# KiCad board sswkbd_left.kicad_pcb (continued)
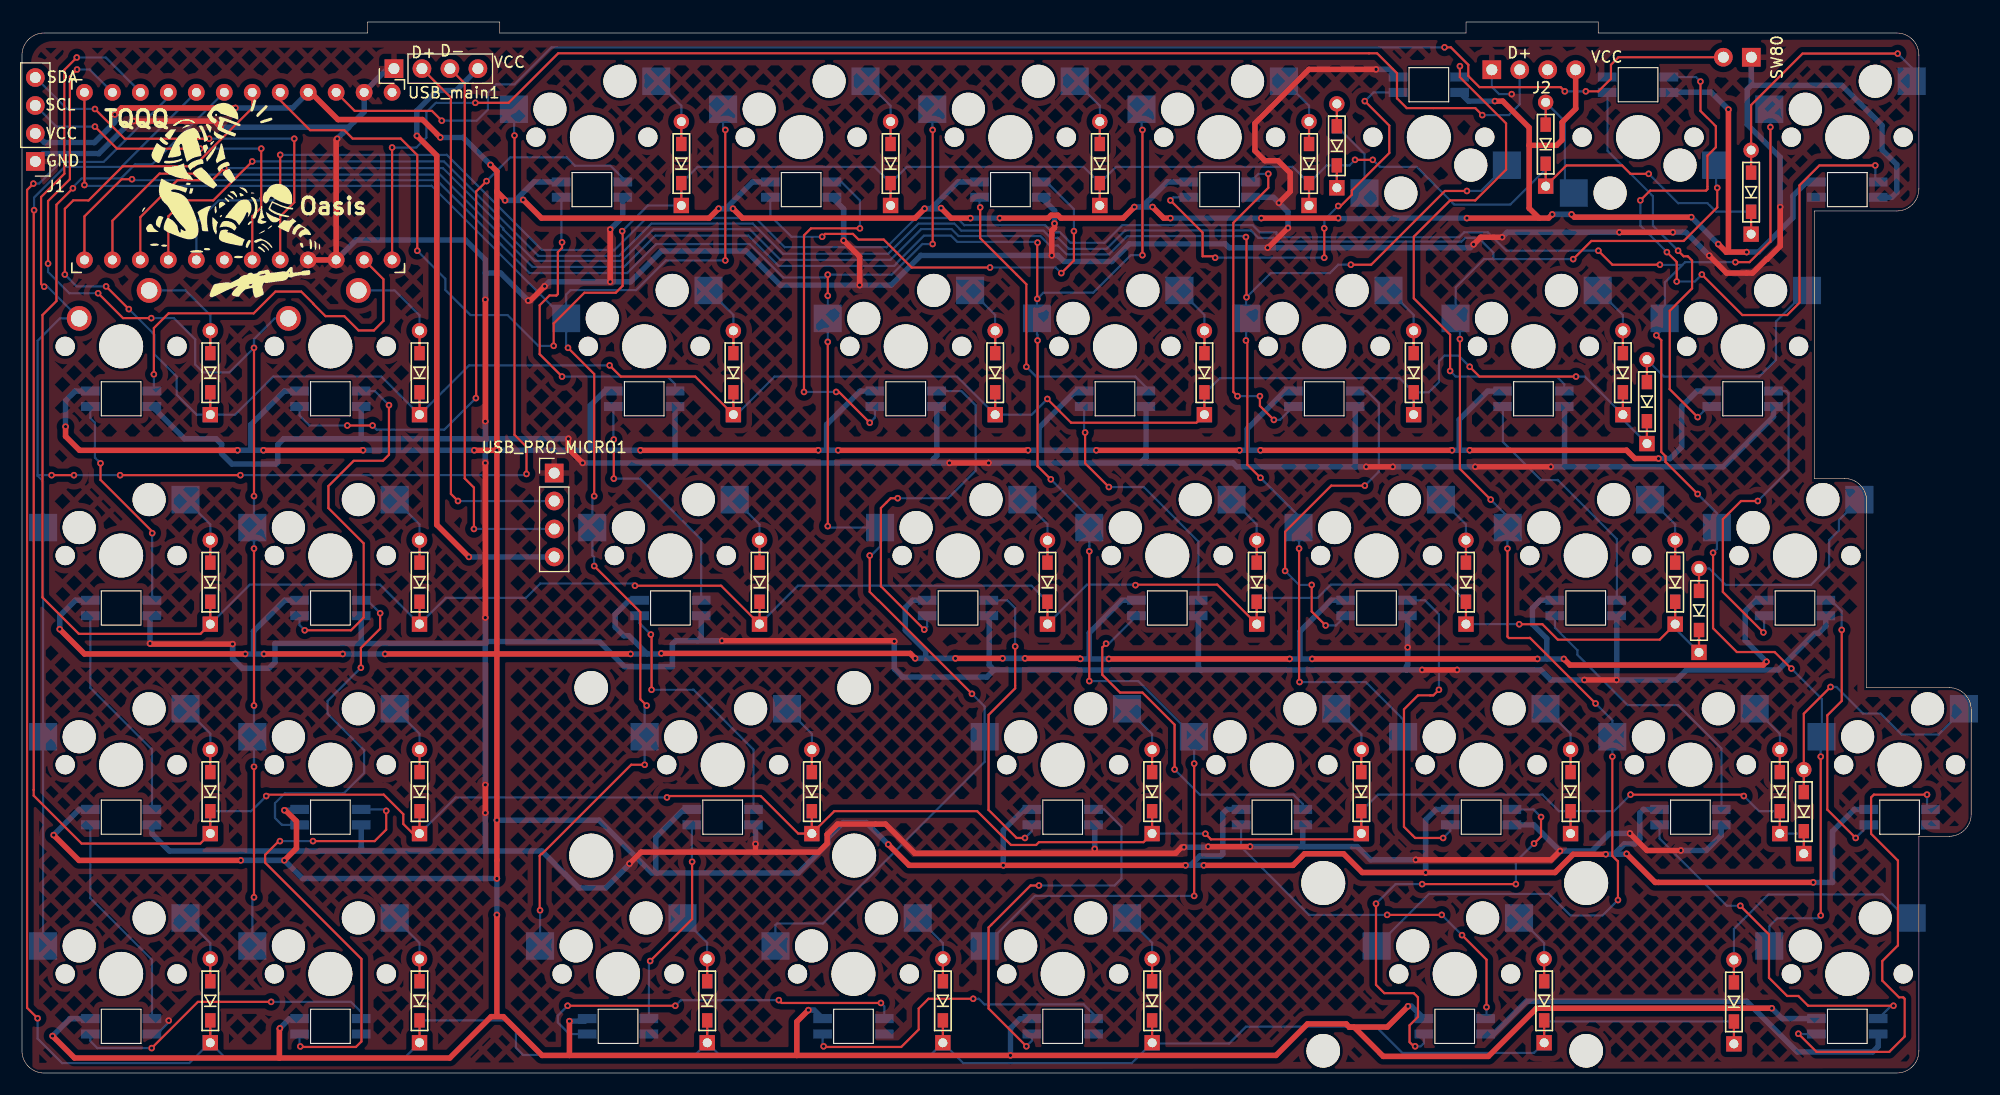
[diagram p0: board, top side]
## Routing (per net, layer and track width the routed paths; a pad name or vN(x,y) marks a point on that pad's centre or on a via; arc(x,y) is an arc through that point) (continued)
  Bottom w0.5: 82.56,78.51 84.99,80.94 LED20.1 ; 82.56,78.51 83.41,78.51 v1(83.46,78.56) ; 82.56,78.51 v1(81.96,78.51) ; LED7.1 23.85,42.94 21.02,40.11 21.02,38.06 ; v1(23.82,23.86) 25.15,23.86 25.2,23.91 ; v1(71.41,5.71) 71.93,5.71 LED14.1 ; 130.51,56.56 v1(131.46,56.56) ; 130.51,56.56 v1(129.86,56.56) ; 130.51,56.56 130.51,59.35 133.1,61.94 LED30.1 ; v1(3.42,40.31) 3.42,41.51 4.85,42.94 LED2.1 ; v1(89.11,18.86) 89.11,22.06 90.99,23.94 LED16.1 ; LED9.1 46.49,80.94 44.81,79.26 ; v1(148.61,55.81) 149.66,55.81 150.71,56.86 150.71,60.55 152.1,61.94 LED35.1 ; 96.91,37.61 96.91,39.97 99.88,42.94 LED22.1 ; 96.91,37.61 v1(98.7,37.61) ; 96.91,37.61 v1(96.11,37.61) ; v1(140.71,77.99) v1(138.96,77.99) ; 21.02,38.06 v1(21.97,38.06) ; 21.02,38.06 v1(20.27,38.06) ; 144.81,19.87 144.81,20.11 145.51,20.81 146.46,20.81 146.91,21.26 146.91,23.61 147.24,23.94 LED32.1 ; 144.81,19.87 v1(143.82,19.87) ; 144.81,19.87 145.67,19.87 v1(145.71,19.91) ; LED10.1 52.91,61.94 51.61,60.63 51.61,56.56 ; 111.26,56.56 v1(112.46,56.56) ; 111.26,56.56 v1(110.56,56.56) ; 111.26,56.56 111.26,58.51 114.69,61.94 LED26.1 ; 51.61,56.56 v1(56.15,56.56) ; 51.61,56.56 43.06,56.56 ; v1(72.31,56.56) 73.06,56.56 ; 73.06,56.56 73.06,58.9 76.1,61.94 LED18.1 ; 73.06,56.56 v1(74.11,56.56) ; 138.46,37.61 138.46,39.46 137.16,40.76 137.16,42.22 137.88,42.94 LED31.1 ; 138.46,37.61 v1(137.61,37.61) ; 138.46,37.61 v1(140.01,37.61) ; v1(91.08,37.66) v1(89.04,37.66) ; 20.77,56.56 20.77,58.88 23.83,61.94 LED8.1 ; 20.77,56.56 v1(19.57,56.56) ; 20.77,56.56 v1(21.92,56.56) ; LED4.1 4.35,4.94 v1(2.77,3.36) ; v1(43.12,14.36) v1(43.12,17.66) 25.47,17.66 v1(23.82,19.31) v1(19.87,19.31) ; v1(119.52,77.65) 119.56,77.61 124.56,77.61 124.6,77.65 v1(131.21,77.65) ; 44.81,79.26 45.46,79.26 v1(45.51,79.31) ; 44.81,79.26 v1(43.86,79.26) ; v1(63.26,78.51) 63.91,78.51 ; 63.91,78.51 66.34,80.94 LED19.1 ; 63.91,78.51 v1(64.56,78.51) ; LED27.1 118.88,42.94 116.06,40.12 116.06,37.61 ; v1(49.71,4.71) 51.1,4.71 LED13.1 ; v1(8.42,87.06) 8.42,86.36 6.57,84.51 2.04,84.51 J1.2 ; v1(156.61,74.56) 157.68,74.56 160.81,77.69 160.81,79.66 162.09,80.94 LED38.1 ; v1(41.06,56.56) v1(30.97,56.56) ; v1(125.86,6.06) 126.18,6.06 LED24.1 ; LED25.1 128.4,23.94 127.46,23 v1(127.46,18.21) ; v1(101.01,78.66) 101.71,78.66 ; 101.71,78.66 v1(102.66,78.66) ; 101.71,78.66 103.99,80.94 LED28.1 ; 158.23,42.94 157.46,42.94 156.48,41.95 156.48,39.29 v1(158.41,37.36) ; v1(2.87,21.61) 5.2,23.94 LED3.1 ; v1(88.79,77.65) v1(86.12,77.65) ; 106.11,18.86 v1(107.31,18.86) ; 106.11,18.86 106.96,19.71 108.86,19.71 109.04,19.89 109.04,23.58 109.4,23.94 LED23.1 ; 106.11,18.86 v1(105.66,18.86) ; LED17.1 80.88,42.94 80.21,42.27 80.21,40.21 82.06,38.36 82.06,37.66 ; LED29.1 131.34,88.27 v1(133.75,88.27) ; 91.72,4.94 91.7,4.91 90.61,4.91 89.76,4.06 v1(89.76,1.6) ; 57.67,18.17 57.2,18.17 52.41,22.96 43.06,22.96 ; 57.67,18.17 70.49,18.17 73.17,20.85 73.17,21.35 74.57,22.74 76.68,22.74 v1(78.66,20.76) ; 57.67,18.17 57.55,18.3 57.55,21.4 60.09,23.94 LED12.1 ; LED33.1 159.84,4.94 v1(158.89,5.88) ; v1(23.42,4.06) 24.3,4.94 LED5.1 ; LED1.1 4.83,61.94 3.95,61.07 v1(3.95,58.71) ; 82.06,37.66 v1(84.76,37.66) ; 82.06,37.66 v1(81.11,37.66) ; v1(115.11,37.61) 116.06,37.61 ; 116.06,37.61 v1(117.16,37.61) ; v1(55.26,38.06) 56.76,38.06 ; 56.76,38.06 58.01,38.06 v1(58.06,38.11) ; 56.76,38.06 55.11,39.71 54.66,39.71 53.86,40.51 53.86,41.66 55.14,42.94 LED11.1 ; v1(154.96,87.51) 153.38,89.09 149.6,89.09 149.58,89.06 ; v1(162.66,17.31) 164.41,17.31 164.41,21.95 166.4,23.94 LED34.1 ; v1(154.03,75.29) v1(151.59,77.73) ; v1(112.54,77.65) v1(104.28,77.65) ; 92.36,56.56 v1(97.55,56.56) ; 92.36,56.56 92.36,58.61 95.69,61.94 LED21.1 ; 92.36,56.56 v1(91.36,56.56) ; v1(42.54,82.49) 40.05,84.97 v1(37.99,84.97) ; v1(19.38,87.66) 24.57,87.66 U1.21 ; v1(29.12,38.06) v1(32.97,38.06)
  vias: v1(43.12,22.96)
col0: length 171.7
  Top w0.2: 2.02,71.37 1.73,71.66 1.73,79.57 3.84,81.68 3.84,91.11 v1(4.97,92.24) ; v1(19.83,54.3) v1(8.91,54.3) ; v1(2.68,54.3) v1(4.72,54.3) ; v1(45.81,54.41) 45.81,56.87 44.72,57.96 v1(44.72,85.15)
  Bottom w0.2: v1(4.72,54.3) v1(8.91,54.3) ; 1.41,54.36 1.47,54.3 v1(2.68,54.3) ; 1.41,54.36 1.41,54.24 1.92,53.74 SW65.1 ; 1.41,54.36 1.41,66.51 3.44,68.54 SW16.1 2.31,71.42 v1(2.02,71.42) ; 44.69,87.54 44.69,85.18 v1(44.72,85.15) ; v1(4.97,92.24) 7.61,92.24 10.75,89.1 U1.15 ; v1(19.83,54.3) 45.7,54.3 v1(45.81,54.41)
col1: length 107.6
  Top w0.2: v1(11.74,68.56) 9.17,68.56 v1(6.91,70.83) ; 21.07,52.37 v1(21.07,65.87) ; 2.41,73.47 v1(2.36,73.52) 2.36,79.2 4.35,81.18 4.35,90.5 v1(4.99,91.15) ; v1(21.07,15.96) 21.07,27.87 ; v1(21.07,33.37) 21.07,47.66
  Bottom w0.2: 20.91,11.51 20.91,15.81 v1(21.07,15.96) ; v1(2.36,73.52) 2.36,72.76 4.29,70.83 v1(6.91,70.83) ; U1.14 6.13,91.15 v1(4.99,91.15) ; v1(11.74,68.56) 13.79,68.56 15.72,66.63 15.72,64.35 16.44,63.64 18.84,63.64 v1(21.07,65.87) 21.07,66.66 22.95,68.54 SW17.1 ; v1(21.07,47.63) v1(21.07,52.4) ; v1(21.07,27.82) v1(21.07,33.37)
col2: length 154.1
  Top w0.2: 63.87,73.75 v1(63.87,85.66) ; 47.2,19.88 55.32,28 v1(56.54,28) ; v1(49.58,65.87) 51.96,63.48 51.96,52.37 ; v1(51.96,46.05) 56.15,41.86 56.15,33.94 v1(56.72,33.37) ; 47.2,19.93 47.01,19.74 47.01,14.81 v1(47.04,14.78) ; v1(5.67,80.65) U1.13
  Bottom w0.2: v1(63.87,85.66) 63.66,85.86 SW2.1 ; SW18.1 49.29,68.54 49.26,68.56 ; SW18.1 49.41,66.03 v1(49.58,65.87) ; SW18.1 49.24,68.54 37.2,80.58 5.74,80.58 v1(5.67,80.65) ; SW18.1 49.41,70.71 49.82,71.11 55.76,71.11 58.45,73.8 v1(63.87,73.8) ; v1(47.04,14.78) SW67.1 ; v1(56.72,33.37) 56.54,33.19 v1(56.54,28) ; v1(51.96,52.4) 51.79,52.23 SW35.1 51.79,47.01 51.96,46.84 v1(51.96,46.05)
col3: length 182.6
  Top w0.2: v1(9.98,81.18) 9.04,81.18 5.67,77.81 U1.12 ; v1(76.98,47) 76.98,43.7 77.74,42.94 ; 73.17,49.64 v1(73.17,66.41) ; 82.69,75.25 v1(82.69,85.66) ; v1(86.26,34.44) 77.74,42.96 ; v1(73.17,70.6) v1(73.17,72.51)
  Bottom w0.2: v1(73.17,49.67) 73.3,49.54 SW36.1 77.91,47.81 77.11,47 v1(76.98,47) ; v1(86.26,34.44) 87.41,33.29 87.41,28.26 72.74,13.58 68.56,13.58 68.41,13.43 SW68.1 ; 10.08,81.09 37.67,81.09 43.51,75.25 ; 43.45,75.3 46.09,72.66 54.96,72.66 57.6,75.3 66.07,75.3 69.11,72.26 72.92,72.26 v1(73.17,72.51) 78.97,72.51 81.76,75.3 v1(82.69,75.3) ; v1(73.17,66.41) v1(73.17,70.6) ; v1(82.69,85.66) 82.66,85.69 SW3.1
col4: length 210
  Top w0.2: v1(92.22,66.53) 92.22,55.1 92.24,55.1 v1(93.42,53.92) ; v1(106.44,16.09) 106.44,28.15 ; v1(92.22,75.42) 92.19,75.39 v1(92.19,70.31) ; 101.74,74.23 v1(101.74,85.66) ; v1(15.83,81.69) 12.48,81.69 8.21,77.41 U1.11 ; v1(96.92,35.59) 96.92,47.41
  Bottom w0.2: v1(92.22,66.53) 92.22,67.04 92.16,67.09 92.16,70.29 v1(92.19,70.31) 92.75,70.87 97.27,70.87 100.68,74.28 v1(101.74,74.28) ; v1(106.44,28.1) 106.44,28.1 106.44,30.51 101.36,35.59 v1(96.92,35.59) ; v1(93.42,53.92) 96.91,50.43 96.91,47.89 96.92,47.89 v1(96.92,47.38) ; v1(15.83,81.69) 15.92,81.6 37.96,81.6 43.49,76.07 43.5,76.07 46.36,73.21 54.66,73.21 57.51,76.06 65.96,76.06 68.71,73.31 79.21,73.31 79.41,73.51 79.41,73.56 81.91,76.06 84.36,76.06 84.92,75.5 92.15,75.5 v1(92.22,75.42) ; 87.44,11.51 87.44,11.54 91.99,16.09 v1(106.44,16.09) ; v1(101.74,85.66) 101.66,85.74 SW4.1
col5: length 198.4
  Top w0.2: v1(116.01,35.51) 115.97,35.55 115.97,47.66 ; v1(111.14,75.93) 111.19,75.88 v1(111.19,70.46) ; v1(111.14,66.53) 111.27,66.41 111.27,55.23 111.29,55.23 v1(112.46,54.06) ; U1.10 10.75,77.73 14.1,81.09 17.26,81.09 v1(18.37,82.2) ; v1(131.21,80.11) 129.21,80.11 122.51,73.42 v1(120.67,73.42)
  Bottom w0.2: v1(120.67,73.42) 119.52,73.42 118.76,72.65 113.39,72.65 v1(111.19,70.46) 111.17,70.43 111.17,66.56 v1(111.14,66.53) ; v1(111.14,75.93) 111.06,76.01 100.36,76.01 98.71,74.36 94.86,74.36 94.06,75.16 93.33,75.16 92.47,76.02 85.05,76.02 84.43,76.64 81.64,76.64 78.86,73.86 68.86,73.86 66.08,76.64 57.36,76.64 54.48,73.76 46.56,73.76 43.7,76.61 43.7,76.7 38.21,82.2 v1(18.37,82.2) ; 134.86,82.46 SW5.1 132.49,80.11 v1(131.21,80.11) ; v1(116.01,35.51) 122.02,35.51 125.42,32.12 SW54.1 ; v1(115.97,47.63) 115.97,49.51 115.94,49.54 115.94,50.58 v1(112.46,54.06)
col6: length 255.7
  Top w0.2: 144.92,19.21 144.42,19.72 v1(144.42,28.74) ; v1(140.86,73.92) 142.51,75.57 150.89,75.57 153.94,78.62 v1(153.94,80.4) ; v1(134.89,47.63) 134.89,39.63 135.02,39.51 136.92,39.51 ; v1(133.37,52.08) 130.57,54.87 ; U1.9 13.29,77.81 14.74,79.26 17.37,79.26 v1(20.91,82.8) ; 130.57,54.85 v1(130.57,66.66) ; v1(144.92,15.71) 144.92,19.26 ; 136.92,39.53 v1(142.89,33.56)
  Bottom w0.2: v1(144.92,15.71) 143.53,14.31 140.61,14.31 138.65,16.27 127.77,16.27 123.04,11.54 123.04,11.51 ; v1(142.89,33.56) 144.42,32.04 v1(144.42,28.74) ; SW6.1 153.84,80.51 v1(153.94,80.4) ; 133.62,73.92 132.76,73.92 130.19,71.36 130.19,68.56 130.57,68.18 v1(130.57,66.66) ; 133.62,73.92 v1(140.86,73.92) ; 133.62,73.92 133.61,73.93 133.61,74.51 132.26,75.86 131.06,75.86 130.71,75.51 113.86,75.51 113.66,75.71 113.66,75.86 112.26,75.86 111.58,76.53 111.58,76.53 100.16,76.53 98.49,74.86 95.06,74.86 94.06,75.86 93.41,75.86 92.76,76.51 85.3,76.51 84.66,77.15 81.4,77.15 78.66,74.41 69.1,74.41 66.36,77.15 57.15,77.15 54.21,74.21 46.9,74.21 38.31,82.8 v1(20.91,82.8) ; v1(134.89,47.63) 134.89,50.56 v1(133.37,52.08)
col7: length 250.1
  Top w0.2: 160.67,36.71 159.15,38.24 155.72,38.24 153.56,40.4 v1(153.56,47.25) ; 158.77,75.55 156.86,73.64 v1(155.59,73.64) ; 149.24,55.48 149.24,56.03 148.86,56.41 148.86,66.56 v1(148.42,67) ; 158.77,75.5 v1(158.77,85.91) ; v1(23.45,83.4) v1(23.45,79.89) ; v1(148.73,73.42) 144.42,73.42 v1(143.15,74.69) ; v1(152.16,52.59) 149.24,55.51 ; v1(163.34,14.31) 163.34,28.79
  Bottom w0.2: v1(148.42,67) 149.17,67.75 SW23.1 149.19,68.56 149.19,71.82 150.78,73.4 ; v1(153.56,47.25) 153.92,47.61 153.92,50.84 v1(152.16,52.59) ; v1(158.77,85.91) 158.77,87.46 158.69,87.54 158.69,87.56 ; 150.78,73.4 148.75,73.4 v1(148.73,73.42) ; 150.78,73.4 151.02,73.64 v1(155.59,73.64) ; v1(23.45,83.4) 38.57,83.4 47.21,74.76 53.71,74.76 53.76,74.71 56.71,77.66 66.61,77.66 69.26,75.01 78.51,75.01 81.16,77.66 84.91,77.66 85.56,77.01 92.91,77.01 93.56,76.36 94.26,76.36 95.21,75.41 98.31,75.41 99.91,77.01 111.76,77.01 112.41,76.36 113.91,76.36 113.91,76.18 114.17,75.91 130.51,75.91 130.96,76.36 133.11,76.36 134.78,74.69 v1(143.15,74.69) ; v1(163.34,14.31) 163.08,14.05 159.4,14.05 158.67,13.32 SW71.1 ; v1(163.34,28.74) 163.34,30.41 163.44,30.51 163.44,33.97 v1(160.67,36.74) ; v1(23.45,79.89) 22.81,79.26 17.86,79.26 15.83,77.23 U1.8
LED_L: length 36.1
  Top w0.2: v1(11.97,63.46) 11.97,67.66 13.31,69 21.03,69 23.01,70.98 25.35,70.98 26.44,69.89 26.44,69.86 27.56,68.74 29.26,68.74 30.56,67.45 31.96,67.45 32.82,68.31 32.82,72.1 U1.2
  Bottom w0.2: 11.8,61.96 LED1.4 11.97,62.11 v1(11.97,63.46)
OLED_SCL: length 32.6
  Top w0.2: U1.6 20.91,77.81 21.72,78.62 v1(21.72,83.96) ; v1(16.18,83.96) 8.62,83.96 v1(6.62,85.96)
  Bottom w0.2: v1(6.62,85.96) 3.13,85.96 J1.3 ; v1(16.18,83.96) v1(21.72,83.96)
OLED_SDA: length 37.4
  Top w0.2: U1.5 23.45,77.81 24.72,79.08 v1(24.72,84.86) ; v1(6.62,87.56) 9.32,84.86 v1(16.99,84.86)
  Bottom w0.2: v1(24.72,84.86) v1(16.99,84.86) ; J1.4 1.24,90.42 4.09,87.56 v1(6.62,87.56)
row0: length 198.2
  Top w0.2: v1(122.66,82.94) v1(121.05,82.94) ; D1.1 D1.1 ; D4.1 D4.1 ; D7.1 D7.1 ; v1(54.5,76.46) 54.54,76.42 54.54,71.5 53.92,70.88 51.07,70.88 48.28,68.08 v1(48.28,66.05) ; v1(147.72,81.67) 146.07,81.67 145.3,82.43 140.24,82.43 D6.1 D6.1 ; v1(35.89,74.69) 35.89,83.37 34.39,84.87 30.02,84.87 29.26,85.63 26.16,85.63 23.45,88.35 U1.20 ; D2.1 D2.1 ; D3.1 D3.1 ; D5.1 119.4,82.44
  Bottom w0.2: D2.1 80.35,82.31 96.4,82.31 D3.1 ; D2.1 77.4,82.31 61.35,82.31 D1.1 D1.1 56.83,78.8 v1(54.5,76.46) ; D2.1 D2.1 ; 119.4,82.44 118.48,82.44 D4.1 ; 119.4,82.44 120.28,82.44 120.29,82.43 120.54,82.43 v1(121.05,82.94) ; 119.4,82.44 D5.1 ; D7.1 D7.1 ; D7.1 153.83,78.23 153.05,79 150.38,79 v1(147.72,81.67) ; D7.1 157.01,78.69 ; v1(122.66,82.94) 123.29,82.31 126.64,82.31 130.06,78.88 135.14,78.88 138.36,82.09 D6.1 D6.1 ; D4.1 115.4,82.31 99.35,82.31 D3.1 ; D4.1 D4.1 ; v1(48.28,66.05) 46.88,66.05 44.09,68.84 40.72,68.84 38.43,71.13 38.43,72.15 v1(35.89,74.69) ; D3.1 D3.1
row1: length 230.1
  Top w0.2: D18.1 D18.1 61.14,63.26 54.37,63.26 v1(53.36,64.27) ; D17.1 D17.1 ; D22.1 D22.1 ; v1(7.63,71.45) v1(9.7,69.38) ; v1(3.89,72.53) 3.89,78.5 4.65,79.26 6.05,79.26 9.15,82.36 15.62,82.36 20.91,87.64 U1.19 ; v1(93.11,61.22) 95.27,59.06 106.64,59.06 D20.1 D20.1 ; v1(141.11,63.26) 132.35,63.26 v1(131.46,64.14) ; D19.1 D19.1 ; D16.1 D16.1 ; D23.1 D23.1 ; D21.1 D21.1
  Bottom w0.2: D21.1 D21.1 ; D21.1 127.75,61.83 128.67,62.75 128.67,64.65 129.18,65.16 130.45,65.16 v1(131.46,64.14) ; D21.1 125.09,63.11 108.77,63.11 107.49,61.83 D20.1 D20.1 ; D23.1 D23.1 145.37,59.35 D22.1 ; D16.1 D16.1 ; D16.1 19.35,59.8 22.81,63.26 32.64,63.26 D17.1 ; D16.1 15.86,59.8 14.05,61.6 14.05,63.26 12.02,65.29 12.02,67.07 v1(9.7,69.38) ; D17.1 D17.1 ; D17.1 36.11,59.8 40.59,64.27 v1(53.36,64.27) ; v1(93.11,61.22) 91.68,59.8 D19.1 ; v1(7.63,71.45) 4.97,71.45 v1(3.89,72.53) ; D19.1 84.91,63.26 68.34,63.26 64.88,59.8 D18.1 D18.1 ; D19.1 D19.1 ; v1(141.11,63.26) 141.91,63.26 D22.1 ; D22.1 D22.1
row2: length 255.3
  Top w0.2: D35.1 D35.1 63.48,44.26 v1(55.66,44.26) ; v1(4.62,80.36) 3.13,78.86 3.13,70.11 1.86,68.84 1.86,43.19 5.16,39.89 16.21,39.89 17.09,40.77 D33.1 D33.1 ; D40.1 D40.1 ; D34.1 D34.1 ; D37.1 D37.1 108.53,44.36 101.16,44.36 v1(101.11,44.31) ; D38.1 D38.1 ; D39.1 D39.1 148.71,39.36 139.46,39.36 138.06,40.76 v1(135.96,40.76) ; D36.1 D36.1
  Bottom w0.2: D35.1 D35.1 70.46,44.26 91.67,44.26 D36.1 D36.1 96.71,44.36 101.06,44.36 v1(101.11,44.31) ; D33.1 D33.1 20.69,44.36 32.51,44.36 D34.1 ; D34.1 38.49,43.16 45.76,43.16 47.06,44.46 55.46,44.46 v1(55.66,44.26) ; D34.1 D34.1 ; D39.1 D39.1 150.12,40.36 D40.1 D40.1 ; v1(135.96,40.76) 135.95,40.77 D38.1 D38.1 129.57,44.36 118.86,44.36 117.66,43.16 112.48,43.16 D37.1 D37.1 ; 18.37,89.1 18.37,89.09 11.81,82.53 10.26,82.53 8.98,81.25 5.42,81.25 4.62,80.46 v1(4.62,80.36)
row3: length 279.5
  Top w0.2: D54.1 D54.1 ; D50.1 D50.1 35.49,21.75 34.62,22.62 34.62,23.5 32.84,25.28 22.3,25.28 v1(22.18,25.16) ; D55.1 D55.1 ; D52.1 D52.1 101.84,20.97 92.35,20.97 92.09,20.71 89.81,20.71 86.74,23.78 73.76,23.78 D51.1 ; v1(58.56,25.03) 58.69,25.16 67.07,25.16 70.48,21.75 D51.1 ; D53.1 D53.1 121.1,21.22 107.97,21.22 v1(107.46,21.73) ; D51.1 D51.1 ; D49.1 D49.1 16.19,20.84 5.41,20.84 1.06,25.19 1.06,25.74 1.06,25.74 1.06,78.33 v1(1.09,78.37) ; D56.1 D56.1 ; v1(156.35,25.16) 156.23,25.28 v1(146.07,25.28)
  Bottom w0.2: v1(22.18,25.16) 20.8,23.78 D49.1 D49.1 ; v1(107.46,21.73) 107.44,21.75 D52.1 D52.1 ; v1(146.07,25.28) 144.56,23.78 D54.1 ; D51.1 D51.1 ; D54.1 139.57,23.78 138.07,25.28 123.12,25.28 D53.1 D53.1 ; D54.1 D54.1 ; D50.1 D50.1 39.38,25.03 v1(58.56,25.03) ; U1.17 15.8,89.07 9.04,82.31 3.89,82.31 1.09,79.51 v1(1.09,78.37) ; D56.1 D56.1 161.7,21.97 161.48,21.75 D55.1 D55.1 157.73,23.78 v1(156.35,25.16)
row4: length 287.6
  Top w0.2: D67.1 D67.1 ; D68.1 D68.1 ; D71.1 D71.1 ; D65.1 D65.1 ; D70.1 D70.1 ; v1(1.41,4.96) 0.46,5.92 0.46,80.21 v1(1.03,80.78) ; D66.1 D66.1 ; D69.1 D69.1
  Bottom w0.2: D68.1 D68.1 ; D68.1 82.41,1.53 63.43,1.53 D67.1 ; D68.1 85.47,0.9 100.78,0.9 D69.1 ; v1(1.41,4.96) 1.41,3.12 3.63,0.9 15.19,0.9 17.04,2.75 D65.1 ; D69.1 102.69,2.68 109.62,2.68 111.14,4.2 122.95,4.2 125.33,1.82 137.3,1.82 D70.1 D70.1 138.32,4.68 D71.1 D71.1 ; D69.1 D69.1 ; 13.29,88.62 7.42,82.76 3.52,82.76 1.54,80.78 v1(1.03,80.78) ; 13.29,88.62 13.29,89.3 ; 13.29,88.62 U1.16 ; D65.1 18.43,1.41 34.76,1.41 D66.1 D66.1 44.14,4.78 44.85,4.07 44.85,2.3 45.51,1.64 61.11,1.64 D67.1 ; D65.1 D65.1 ; D67.1 D67.1
RST: length 135.2
  Top w0.2: SW80.2 144.97,92.26 144.29,91.58 144.29,90.31 143.15,89.16 v1(142,89.16) ; v1(129.18,93.16) 129.75,93.16 131.33,91.58 131.33,90.56 132.35,89.54 139.72,89.54 v1(140.1,89.16) ; 28.53,89.07 30.21,87.39 37.23,87.39 v1(38.12,86.5)
  Bottom w0.2: v1(38.12,86.5) 41.29,86.5 42.31,87.51 42.31,89.04 43.07,89.8 44.72,89.8 48.08,93.16 v1(129.18,93.16) ; v1(140.1,89.16) v1(142,89.16) ; 28.53,89.1 28.53,89.3
SPLIT_L: length 124.7
  Top w0.2: U1.1 v1(33.61,84.06) ; v1(132.6,87) 131.97,87.64 125.75,87.64 124.86,88.53 124.86,90.81 123.05,92.62 48.68,92.62 44.19,88.12 v1(41.16,88.12)
  Bottom w0.2: v1(41.16,88.12) 37.58,88.12 36.72,87.26 36.72,84.97 35.8,84.06 v1(33.61,84.06) ; v1(132.6,87) 135.02,87 136.01,87.99 J2.2
USB_D+: length 49.4
  Top w0.2: USB_main1.2 38.95,88.6 38.95,52.6 v1(39.59,51.95)
  Bottom w0.2: v1(39.59,51.95) USB_PRO_MICRO1.2
USB_D-: length 50
  Top w0.2: USB_main1.3 40.2,89.88 40.2,54.01 41.04,53.17 v1(41.04,49.41)
  Bottom w0.2: USB_PRO_MICRO1.3 v1(41.04,49.41)
USB_VCC: length 57.4
  Top w0.5: v1(40.58,46.87) 37.66,49.79 37.66,83.32 v1(35.86,85.13)
  Bottom w0.5: USB_main1.4 39.41,89.24 37.68,89.24 35.86,87.41 v1(35.86,85.13) ; v1(40.58,46.87) USB_PRO_MICRO1.4
Net-(D1-A): length 8.7
  Top w0.2: D1.2 D1.2
  Bottom w0.2: D1.2 D1.2 59.87,87.85 57.64,90.08 57.62,90.08
Net-(D2-A): length 8.7
  Top w0.2: D2.2 D2.2
  Bottom w0.2: D2.2 D2.2 78.87,87.85 76.64,90.08 76.62,90.08
Net-(D3-A): length 8.7
  Top w0.2: D3.2 D3.2
  Bottom w0.2: 95.62,90.08 95.64,90.08 97.87,87.85 D3.2 D3.2
Net-(D4-A): length 8.7
  Top w0.2: D4.2 D4.2
  Bottom w0.2: D4.2 D4.2 116.87,87.85 114.64,90.08 114.62,90.08
Net-(D5-A): length 11.2
  Top w0.2: D5.2 D5.2
  Bottom w0.2: 121.93,79.92 121.91,79.94 121.91,83.48 D5.2 D5.2
Net-(D6-A): length 13.4
  Top w0.2: D6.2 D6.2
  Bottom w0.2: SW6.2 140.1,80.73 140.1,86.43 D6.2 D6.2
Net-(D7-A): length 26.5
  Top w0.2: v1(170.32,92.59) 161.69,92.59 157.01,87.92 D7.2 D7.2
  Bottom w0.2: v1(170.32,92.59) 171.59,91.32 SW7.2 ; D7.2 D7.2
Net-(D16-A): length 12
  Top w0.2: D16.2 D16.2
  Bottom w0.2: D16.2 D16.2 17.1,68.83 14.84,71.08 SW16.2
Net-(D17-A): length 11.9
  Top w0.2: D17.2 D17.2
  Bottom w0.2: 33.82,71.08 SW17.2 ; D17.2 D17.2 36.1,68.83 33.84,71.08
Net-(D18-A): length 8.7
  Top w0.2: D18.2 D18.2
  Bottom w0.2: D18.2 D18.2 64.6,68.85 62.37,71.08 SW18.2
Net-(D19-A): length 8.7
  Top w0.2: D19.2 D19.2
  Bottom w0.2: D19.2 D19.2 88.37,68.85 86.14,71.08 86.12,71.08
Net-(D20-A): length 8.7
  Top w0.2: D20.2 D20.2
  Bottom w0.2: 105.12,71.08 105.14,71.08 107.37,68.85 D20.2 D20.2
Net-(D21-A): length 8.7
  Top w0.2: D21.2 D21.2
  Bottom w0.2: 124.12,71.08 124.14,71.08 126.37,68.85 D21.2 D21.2
Net-(D22-A): length 8.7
  Top w0.2: D22.2 D22.2
  Bottom w0.2: 143.12,71.08 143.14,71.08 145.37,68.85 D22.2 D22.2
Net-(D23-A): length 24.5
  Top w0.2: D23.2 D23.2
  Bottom w0.2: D23.2 D23.2 149.09,63.26 157.75,63.26 159.27,64.78 159.27,68.26 SW23.2 162.12,71.08
Net-(D33-A): length 8.7
  Top w0.2: D33.2 D33.2
  Bottom w0.2: D33.2 D33.2 17.1,49.83 SW33.2
Net-(D34-A): length 8.7
  Top w0.2: D34.2 D34.2
  Bottom w0.2: SW34.2 36.1,49.83 D34.2 D34.2
Net-(D35-A): length 8.7
  Top w0.2: D35.2 D35.2
  Bottom w0.2: D35.2 D35.2 66.97,49.83 SW35.2
Net-(D36-A): length 8.7
  Top w0.2: D36.2 D36.2
  Bottom w0.2: 90.87,52.08 90.89,52.08 93.12,49.85 D36.2
Net-(D37-A): length 8.7
  Top w0.2: D37.2 D37.2
  Bottom w0.2: D37.2 D37.2 112.12,49.83 109.87,52.08 SW37.2
Net-(D38-A): length 8.7
  Top w0.2: D38.2 D38.2
  Bottom w0.2: SW38.2 128.87,52.08 131.12,49.83 D38.2 D38.2
Net-(D39-A): length 8.7
  Top w0.2: D39.2 D39.2
  Bottom w0.2: SW39.2 147.87,52.08 150.12,49.83 D39.2 D39.2
Net-(D40-A): length 24.4
  Top w0.2: D40.2 D40.2
  Bottom w0.2: D40.2 D40.2 153.22,45.82 154.7,44.33 162.45,44.33 164.1,45.98 164.1,48.4 164.99,49.29 164.99,50.23 166.84,52.08 SW40.2
Net-(D49-A): length 8.7
  Top w0.2: D49.2 D49.2
  Bottom w0.2: 14.84,33.05 14.87,33.05 17.1,30.83 D49.2 D49.2
Net-(D50-A): length 8.7
  Top w0.2: D50.2 D50.2
  Bottom w0.2: SW50.2 33.84,33.05 36.1,30.8 D50.2 D50.2
Net-(D51-A): length 8.7
  Top w0.2: D51.2 D51.2
  Bottom w0.2: SW51.2 69.47,33.05 71.72,30.8 D51.2 D51.2
Net-(D52-A): length 8.7
  Top w0.2: D52.2 D52.2
  Bottom w0.2: D52.2 D52.2 102.62,30.8 100.37,33.05 100.37,33.08
Net-(D53-A): length 8.7
  Top w0.2: D53.2 D53.2
  Bottom w0.2: D53.2 D53.2 121.62,30.8 119.37,33.05 119.37,33.08
Net-(D54-A): length 8.7
  Top w0.2: D54.2 D54.2
  Bottom w0.2: 138.37,33.08 138.37,33.05 140.62,30.8 D54.2 D54.2
Net-(D55-A): length 8.7
  Top w0.2: D55.2 D55.2
  Bottom w0.2: 157.37,33.08 157.37,33.05 159.62,30.8 D55.2 D55.2
Net-(D56-A): length 27.5
  Top w0.2: v1(164.23,35.06) 161.8,32.63 D56.2 D56.2
  Bottom w0.2: 176.37,33.05 SW56.2 176.34,33.05 174.03,30.74 170.68,30.74 168.77,32.65 167.17,32.65 164.76,35.06 v1(164.23,35.06) ; D56.2 D56.2
Net-(D65-A): length 8.7
  Top w0.2: D65.2 D65.2
  Bottom w0.2: SW65.2 14.84,14.05 17.1,11.8 D65.2 D65.2
Net-(D66-A): length 8.7
  Top w0.2: D66.2 D66.2
  Bottom w0.2: D66.2 D66.2 36.1,11.8 33.84,14.05 SW66.2
Net-(D67-A): length 8.7
  Top w0.2: D67.2 D67.2
  Bottom w0.2: D67.2 D67.2 62.22,11.83 59.99,14.05 59.97,14.05
Net-(D68-A): length 8.7
  Top w0.2: D68.2 D68.2
  Bottom w0.2: D68.2 D68.2 83.62,11.8 81.37,14.05 81.37,14.08
Net-(D69-A): length 8.8
  Top w0.2: D69.2 D69.2
  Bottom w0.2: D69.2 D69.2 102.62,11.83 100.37,14.08 SW69.2 100.37,14.05
Net-(D70-A): length 8.7
  Top w0.2: D70.2 D70.2
  Bottom w0.2: D70.2 D70.2 138.22,11.8 135.97,14.05 135.97,14.08
Net-(D71-A): length 25.2
  Top w0.2: D71.2 D71.2
  Bottom w0.2: D71.2 D71.2 155.45,13.08 158.59,16.22 168.95,16.22 171.09,14.08 SW71.2
Net-(LED1-DOUT): length 19.9
  Top w0.2: v1(7.13,55.38) 7.13,53.88 11.82,49.18 v1(11.82,49.03)
  Bottom w0.2: LED2.4 11.82,42.96 v1(11.82,49.03) ; LED1.2 6.2,59.49 6.62,59.06 6.62,55.89 v1(7.13,55.38)
Net-(LED2-DOUT): length 19.9
  Bottom w0.2: LED3.4 11.8,29.38 6.2,34.98 LED2.2
Net-(LED3-DOUT): length 19.9
  Bottom w0.2: 6.2,22.54 6.2,15.88 11.8,10.28 11.8,4.91
Net-(LED4-DOUT): length 28.2
  Top w0.2: v1(22.62,6.46) 15.97,6.46 v1(11.77,2.26)
  Bottom w0.2: v1(11.77,2.26) 6.84,2.26 6.2,2.9 6.2,3.54 ; v1(22.62,6.46) 29.86,6.46 30.8,5.52 LED5.4
Net-(LED5-DOUT): length 43.5
  Top w0.2: v1(25.27,2.41) 25.32,2.36 30.32,2.36 30.82,2.86 30.82,10.36 22.07,19.11 22.07,19.81 23.32,21.06 v1(23.42,21.06) ; v1(26.42,21.06) 32.02,21.06 33.07,22.11 v1(33.07,23.81)
  Bottom w0.2: 25.2,3.54 25.2,2.48 v1(25.27,2.41) ; 30.8,23.91 30.83,23.94 32.94,23.94 v1(33.07,23.81) ; v1(26.42,21.06) v1(23.42,21.06)
Net-(LED6-DOUT): length 33.1
  Top w0.2: v1(30.77,36.81) 30.77,38.61 32.52,40.36 v1(32.52,41.76)
  Bottom w0.2: LED7.4 31.34,42.94 v1(32.52,41.76) ; v1(30.77,36.81) 27.75,33.78 27.75,32.63 31.07,29.31 31.07,27.26 29.22,25.41 23.87,25.41 22.97,24.51 22.97,23.16 23.59,22.54 25.2,22.54
Net-(LED7-DOUT): length 34.9
  Top w0.2: v1(25.67,40.21) 29.87,40.21 31.02,41.36 31.02,48.11 27.82,51.31 27.82,53.31 30.12,55.61 32.77,55.61 33.32,56.16 v1(33.32,60.66)
  Bottom w0.2: v1(33.32,60.66) 32.04,61.94 LED8.4 ; v1(25.67,40.21) 25.2,40.68 LED7.2
Net-(LED8-DOUT): length 53.1
  Top w0.2: v1(41.22,61.3) 41.24,61.33 41.24,80.07 v1(42.18,81.01) ; v1(29.54,58.81) v1(31.83,58.81)
  Bottom w0.2: v1(41.22,61.3) 38.34,58.43 32.21,58.43 v1(31.83,58.81) ; LED9.4 54.55,81.29 53.43,82.41 50.21,82.41 49.44,83.17 44.34,83.17 v1(42.18,81.01) ; v1(29.54,58.81) 26.11,58.81 25.2,59.72 LED8.2
Net-(LED10-DIN): length 29.6
  Top w0.2: v1(49.04,75.45) 49.04,74.94 48.66,74.56 48.66,70.75 48.53,70.62 47.9,70.62 47.01,69.73 47.01,65.29 v1(49.04,63.26)
  Bottom w0.2: LED10.4 59.3,62.57 58.62,63.26 v1(49.04,63.26) ; v1(49.04,75.45) 48.98,75.51 48.98,79.51 LED9.2
Net-(LED10-DOUT): length 22.3
  Top w0.2: v1(53.74,57.54) v1(53.74,53.98)
  Bottom w0.2: LED10.2 53.7,57.58 v1(53.74,57.54) ; LED11.4 61.68,48.46 56.15,53.98 v1(53.74,53.98)
Net-(LED11-DOUT): length 24.1
  Top w0.2: v1(57.17,34.81) 57.17,39.76 v1(57.1,39.82)
  Bottom w0.2: v1(57.17,34.81) 60.99,34.81 66.43,29.37 LED12.4 ; LED11.2 56.07,40.85 v1(57.1,39.82)
Net-(LED12-DOUT): length 19.2
  Top w0.2: v1(60.85,19.19) 60.85,13.98 v1(57.04,10.17)
  Bottom w0.2: v1(57.04,10.17) 56.93,10.06 LED13.4 ; 60.82,22.54 60.82,19.21 v1(60.85,19.19)
Net-(LED13-DOUT): length 35.3
  Top w0.2: v1(77.99,6.36) 68.98,6.36 v1(68.72,6.61) ; v1(59.33,6.11) v1(49.55,6.11)
  Bottom w0.2: v1(59.33,6.11) 59.83,6.61 v1(68.72,6.61) ; 51.32,3.54 49.7,3.54 48.66,4.58 48.66,5.22 v1(49.55,6.11) ; LED14.4 78.3,6.05 v1(77.99,6.36)
Net-(LED14-DOUT): length 29.6
  Top w0.2: v1(86.38,6.74) 82.31,6.74 81.42,5.85 81.42,3.95 79.84,2.36 72.85,2.36 v1(72.79,2.42)
  Bottom w0.2: v1(72.79,2.42) 72.7,2.51 72.7,3.54 ; LED15.4 97.3,5.34 96.41,6.23 87.39,6.23 86.88,6.74 v1(86.38,6.74)
Net-(LED15-DOUT): length 35.4
  Top w0.2: v1(92.35,17.03) 91.58,17.03 87.77,13.22 87.77,5.85 v1(91.2,2.42)
  Bottom w0.2: v1(91.2,2.42) 91.7,2.92 91.7,3.54 ; 97.32,23.91 LED16.4 98.26,23.94 99.84,22.36 99.84,17.66 99.2,17.03 v1(92.35,17.03)
Net-(LED16-DOUT): length 27.8
  Top w0.2: v1(91.08,21.35) 90.31,21.35 87.77,23.89 87.77,32.52 90.19,34.93 v1(90.19,38.74)
  Bottom w0.2: v1(91.08,21.35) 91.7,21.97 91.7,22.54 ; LED17.4 89.47,42.94 90.19,42.22 v1(90.19,38.74)
Net-(LED17-DOUT): length 34.1
  Top w0.2: v1(81.93,40.27) 77.99,44.21 77.99,51.32 78.88,52.21 v1(79.52,52.21)
  Bottom w0.2: LED18.4 85.31,61.94 86.6,60.64 86.6,54.72 84.09,52.21 v1(79.52,52.21) ; LED17.2 82.2,40.54 v1(81.93,40.27)
Net-(LED18-DOUT): length 34.2
  Top w0.2: v1(76.98,59.06) 74.18,61.86 v1(73.93,61.86) ; v1(76.09,76.72) 71.64,76.72 71.01,76.08 v1(71.01,61.86)
  Bottom w0.2: v1(76.09,76.72) 76.09,79.26 74.41,80.94 LED19.4 73.57,80.96 ; v1(76.98,59.06) 77.45,59.54 LED18.2 ; v1(73.93,61.86) v1(71.01,61.86)
Net-(LED19-DOUT): length 40.7
  Top w0.2: v1(87.9,73.16) 80.79,73.16 78.25,75.7 75.96,75.7 75.45,76.21 72.92,76.21 v1(72.66,75.96) ; v1(94.38,72.65) 95.52,73.8 v1(95.52,76.46)
  Bottom w0.2: v1(87.9,73.16) 93.87,73.16 v1(94.38,72.65) ; LED19.2 67.95,77.87 69.87,75.96 v1(72.66,75.96) ; LED20.4 93.04,80.94 95.52,78.45 v1(95.52,76.46)
Net-(LED20-DOUT): length 29.1
  Top w0.2: v1(87.01,78.62) 87.01,75.83 91.2,71.64 v1(91.2,64.14)
  Bottom w0.2: LED20.2 86.95,78.68 v1(87.01,78.62) ; LED21.4 102.05,62.31 101.11,63.26 92.09,63.26 v1(91.2,64.14)
Net-(LED21-DOUT): length 23.8
  Top w0.2: v1(96.54,58.18) 96.54,55.38 v1(98.7,53.22)
  Bottom w0.2: v1(98.7,53.22) 101.87,53.22 106.83,48.27 106.83,42.96 LED22.4 ; LED21.2 96.45,58.26 v1(96.54,58.18)
Net-(LED22-DOUT): length 32.7
  Top w0.2: v1(104.66,27.57) 104.66,31.63 101.74,34.55 99.71,34.55 98.1,36.17 98.1,38.65 v1(98.44,39)
  Bottom w0.2: v1(104.66,27.57) 106.95,25.28 115.46,25.28 116.3,24.44 LED23.4 ; v1(98.44,39) 98.69,39 101.2,41.51 LED22.2
Net-(LED23-DOUT): length 33.9
  Top w0.2: v1(123.97,14.36) v1(128.92,14.36) ; v1(130.76,12.52) 132.99,10.3 v1(132.99,5.98)
  Bottom w0.2: 110.7,22.54 110.7,20.53 116.87,14.36 v1(123.97,14.36) ; v1(132.99,5.98) 132.99,5 132.93,4.94 132.93,4.91 ; v1(128.92,14.36) v1(130.76,12.52)
Net-(LED24-DOUT): length 41.8
  Top w0.2: v1(122.95,15.38) 122.95,8.01 123.71,7.25 126.38,7.25 126.76,6.87 126.76,5.09 126,4.33 126,2.8 126.38,2.42 v1(126.51,2.42) ; v1(127.14,17.16) v1(135.65,17.16) ; v1(137.94,23.25) 137.94,21.47 v1(137.3,20.84)
  Bottom w0.2: v1(126.51,2.42) 127.02,2.42 127.3,2.71 127.3,3.54 ; v1(137.94,23.25) 137.25,23.94 LED25.4 ; v1(122.95,15.38) 124.73,17.16 v1(127.14,17.16) ; v1(137.3,20.84) 135.65,19.19 v1(135.65,17.16)
Net-(LED25-DOUT): length 30.3
  Top w0.2: v1(129.05,21.35) 126.51,21.35 125.49,22.36 125.49,33.03 126.76,34.3 128.16,34.3 v1(128.67,34.81)
  Bottom w0.2: v1(129.05,21.35) 129.7,22 129.7,22.54 ; v1(128.67,34.81) 128.67,41.67 127.4,42.94 LED27.4
Net-(LED26-DIN): length 32.5
  Top w0.2: v1(114.7,45.6) 114.7,49.16 118.89,53.35 v1(121.94,53.35) ; v1(117.11,44.33) 117.11,41.92 v1(118.38,40.65)
  Bottom w0.2: LED27.2 119.31,40.65 v1(118.38,40.65) ; v1(117.11,44.33) 115.97,44.33 v1(114.7,45.6) ; LED26.4 122.11,61.94 123.21,60.84 123.21,54.62 v1(121.94,53.35)
Net-(LED26-DOUT): length 30.6
  Top w0.2: v1(112.41,61.48) 112.41,60.59 v1(113.68,59.32) ; v1(113.17,81.67) 113.17,80.4 110,77.23 110,61.86 v1(110.38,61.48)
  Bottom w0.2: LED28.4 112.28,81.67 v1(113.17,81.67) ; v1(113.68,59.32) 114.23,59.32 LED26.2 ; v1(112.41,61.48) v1(110.38,61.48)
Net-(LED28-DOUT): length 40.3
  Top w0.2: v1(121.94,88.27) 124.16,86.05 124.16,83.56 120.76,80.16 120.76,79.77 119.74,78.75 v1(119.52,78.75) ; v1(108.35,74.05) 108.22,74.18 107.2,74.18 107.2,76.34 v1(104.28,79.26) ; v1(118.25,74.05) v1(118.25,76.72)
  Bottom w0.2: v1(119.52,78.75) 118.25,77.48 v1(118.25,76.72) ; v1(108.35,74.05) v1(118.25,74.05) ; 124.98,89.06 122.72,89.06 v1(121.94,88.27) ; v1(104.28,79.26) 104.56,79.54 105.98,79.54
